# Altium PCB PCB3.PcbDoc (part 8 of 8)
Units mil, origin at the board's own origin, x right, y up, seen from the top; angles counter-clockwise.
Board outline 4763.78 x 6574.87 mil, 6 copper layers (Top Layer, GND, ADDR, DATA, VCC, Bottom Layer), stack 77.691 mil thick; 402 components, 418 nets, 1809 pads, 1202 vias.
Unrouted connection lines stored in the file: 117.
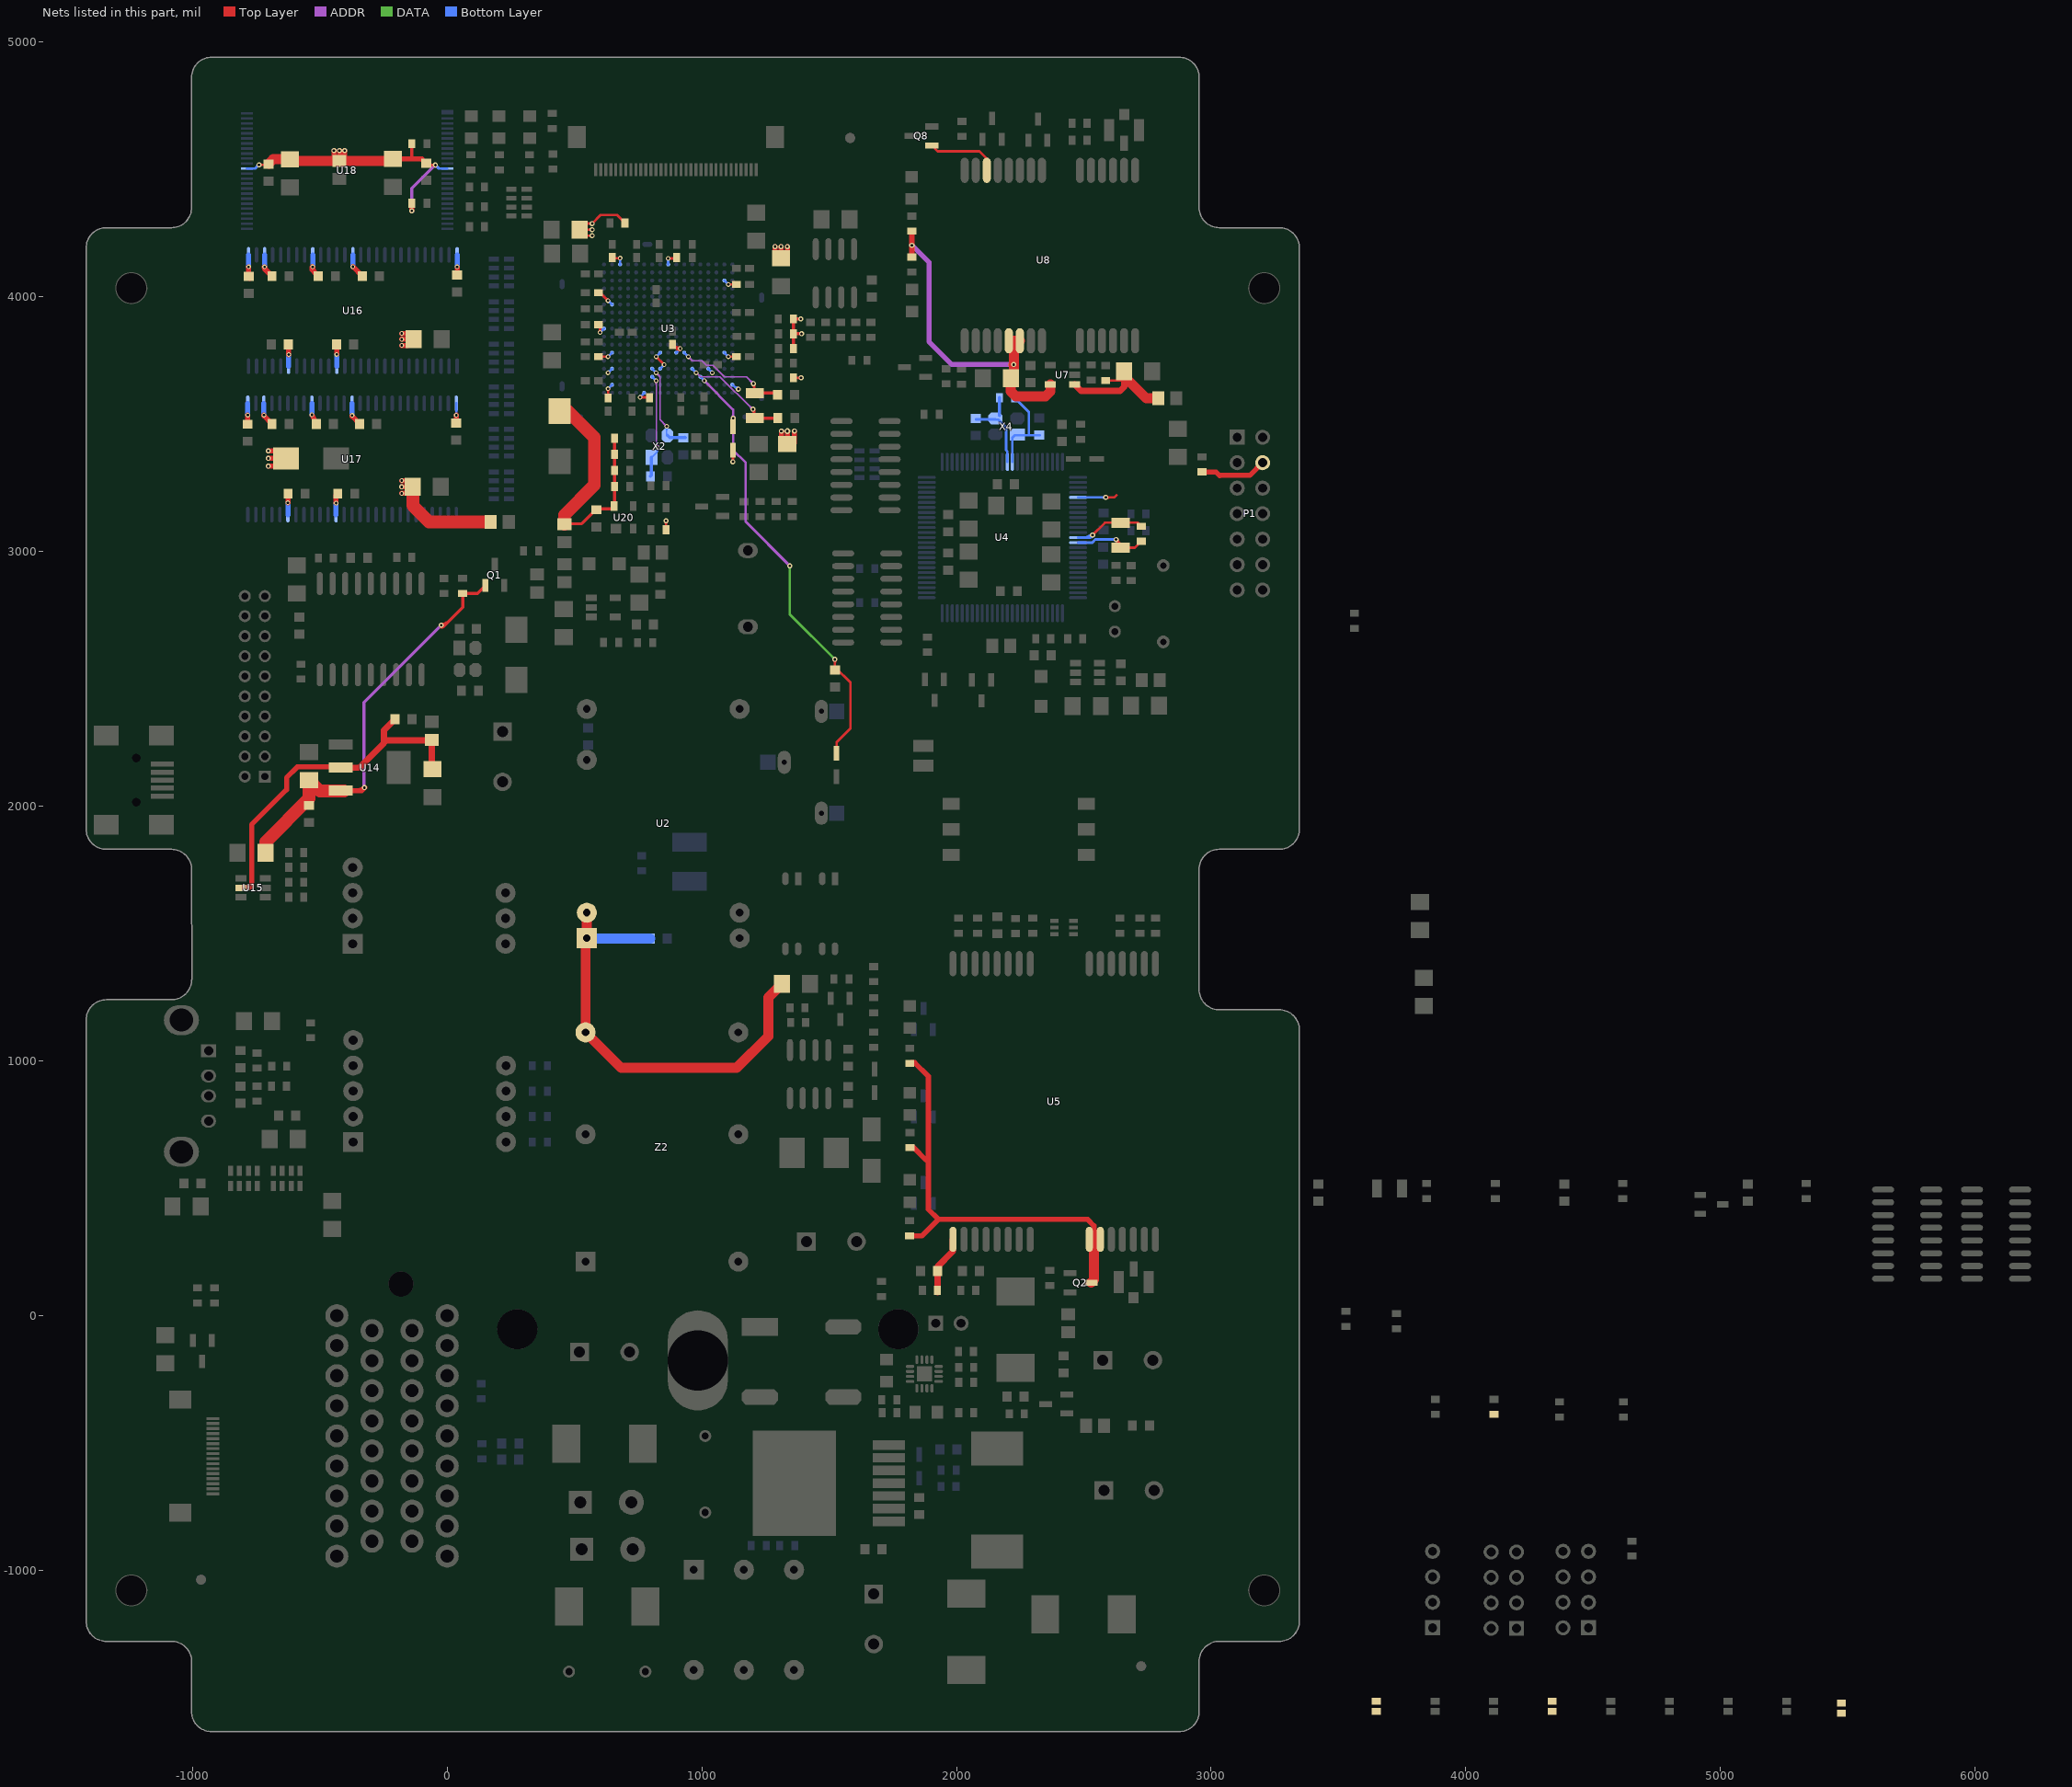
[diagram p12: the nets of this part, all layers, seen from the top]

## Via types
v1: diameter 18, hole 10, Top Layer to Bottom Layer, tented both sides, 404 vias
v2: diameter 20, hole 10, Top Layer to Bottom Layer, tented both sides, 379 vias
v3: diameter 25, hole 15, Top Layer to Bottom Layer, tented both sides, 363 vias
v4: diameter 23.62, hole 11.81, Top Layer to Bottom Layer, tented both sides, 51 vias
v5: diameter 50, hole 28, Top Layer to Bottom Layer, tented both sides, 4 vias
v6: diameter 30, hole 15, Top Layer to Bottom Layer, tented both sides, 1 vias

## Nets (pads, with @x,y where several pads share a name; then routed paths per layer and width w, separated by ;. In a path a pad name is that pad's centre, name@x,y a point inside that pad or via, vN(x,y) a via of type N, cw(c..) or ccw(c..) an arc to the next point about the centre after c; other vN are vias at no path point) (continued)
VDD3V30: C13.1 C14.1 C15.1 C16.1 C17.1 C18.1 C32.1 C33.1 C34.1 C35.1 C81.1 CP2.1 CP4.1 CP5.1 CT2.1 D6.1 LR3.2 R9.1 R10.1 R20.1 R21.1 R22.1 R79.1 R81.1 R82.1 R83.1 R84.1 RD5.1 RD5.2 RD7.1 RD7.2 RD9.1 RD9.2 RN2.1 U3.A9 U3.B6 U3.B12 U3.B14 U3.B16 U3.C1 U3.F17 U3.H12 U3.H14 U3.J1 U3.K12 U3.P14 U3.T3 U3.T12 U3.U16 U20.4 | length 3321.6
  Top Layer w10: v2@565.8,4260.68 ccw(c557.26,4252.14) 557.26,4264.21 ccw(c557.26,4276.28) v2@565.8,4267.75 ; v2(569.33,4240.71) 544.15,4240.71 CP2.1@520.64,4264.21 ; v2(569.33,4264.21) CP2.1@520.64,4264.21 ; C18.1@594.05,3764.98 594.28,3765.2 v1(631.86,3765.2) ; C15.1@594.05,3890.85 600.08,3884.83 v1(600.08,3859.98) ; C16.1@594.05,4015.98 601.56,4015.98 v1(631.87,3985.67) ; v1@597.25,3862.81 ccw(c590.42,3869.63) 600.08,3869.63 ccw(c609.74,3869.63) v1@602.91,3862.81 ; v1@627.87,3985.67 ccw(c618.21,3985.67) 625.04,3992.5 ccw(c631.87,3999.33) v1@631.87,3989.67 ; v1@629.04,3636.39 cw(c622.21,3629.56) 631.86,3629.56 cw(c641.52,3629.56) v1@634.69,3636.39 ; v1@629.04,3762.37 ccw(c622.21,3755.54) 622.21,3765.2 ccw(c622.21,3774.85) v1@629.04,3768.03 ; C14.1@631.86,3602.8 v1(631.86,3639.21) ; C17.1@649.48,4151.95 v1(679.11,4151.95) ; v1@676.28,4149.13 ccw(c669.45,4142.3) 669.45,4151.95 ccw(c669.45,4161.61) v1@676.28,4154.78 ; R9.1@697.84,4290.35 666.34,4321.85 603.23,4321.85 v2(569.33,4287.95) 544.38,4287.95 CP2.1@520.64,4264.21 ; v1(757.85,3605.75) 793.28,3605.75 C35.1@795.25,3603.78 ; v1@760.68,3602.92 cw(c767.51,3596.09) 767.51,3605.75 cw(c767.51,3615.41) v1@760.68,3608.58 ; v1@820.84,3761.2 cw(c820.84,3751.54) 827.67,3758.37 cw(c834.5,3765.2) v1@824.84,3765.2 ; v1(820.84,3765.2) v1(852.34,3733.7) ; v1@848.34,3733.7 ccw(c838.68,3733.7) 845.51,3740.53 ccw(c852.34,3747.36) v1@852.34,3737.7 ; v2@855.69,3117.5 cw(c847.16,3108.97) 859.23,3108.97 cw(c871.3,3108.97) v2@862.76,3117.5 ; R79.1@859.23,3085.08 v2(859.23,3121.04) ; v1(868.08,4150.93) 897.68,4150.93 C34.1@901.59,4154.84 ; v1@870.91,4148.1 cw(c877.74,4141.27) 877.74,4150.93 cw(c877.74,4160.59) v1@870.91,4153.76 ; C13.1@884.82,3813.43 901.55,3796.69 v1(915.33,3796.69) ; C13.1@884.98,3813.27 ccw(c915.33,3843.62) v1@915.33,3800.69 ; 902.05,3796.2 ccw(c915.33,3809.48) v1@915.33,3790.69 ; v1@912.5,3793.87 ccw(c905.67,3787.04) 905.67,3796.69 ccw(c905.67,3806.35) v1@912.5,3799.52 ; v1(1104.31,3765.2) C32.1@1141.71,3765.2 ; v1(1104.31,4048.66) C33.1@1135.8,4048.66 C33.1@1144.66,4048.66 ; v1@1107.14,3762.37 cw(c1113.96,3755.54) 1113.96,3765.2 cw(c1113.96,3774.86) v1@1107.14,3768.03 ; v1@1107.14,4045.84 cw(c1113.96,4039.01) 1113.96,4048.66 cw(c1113.97,4058.33) v1@1107.14,4051.49 ; CP4.1@1335.6,3422.68 CP4.1@1335.6,3432.11 ; R20.1@1360.24,3682.09 v2(1389.76,3682.09) ; R22.1@1360.24,3790.36 R22.1@1360.24,3797.58 R21.1@1360.24,3855.32 ; v2@1386.22,3678.56 ccw(c1377.69,3670.02) 1377.69,3682.09 ccw(c1377.69,3694.16) v2@1386.22,3685.63
  Top Layer w12: LR3.2@470.47,3109.25 528.54,3109.25 587.62,3168.33 657.45,3168.33 R82.1@657.45,3255.36 R84.1@657.45,3318.68 R81.1@657.45,3382 R83.1@657.45,3445.32 ; D6.1@1120.08,3398.62 1122.05,3396.65 v2(1122.05,3352.36) ; R22.1@1359.25,3790.35 1359.25,3855.32 R10.1@1359.25,3913.39 v2(1388.78,3913.39) ; R21.1@1360.24,3855.32 v2(1391.73,3855.32)
  Top Layer w20: CP5.1@1287.4,4152.56 v2(1287.4,4197.83) ; v2(1311.02,4197.83) CP5.1@1311.02,4151.57 1311.02,4138.78 CP5.1@1312.99,4136.81 ; CP4.1@1312.07,3430.05 v2(1312.07,3472.61) ; CP4.1@1335.6,3432.11 v4(1335.6,3472.88) ; CP5.1@1335.63,4156.5 v2(1335.63,4197.83) ; CP4.1@1364.17,3426.18 v2(1364.17,3473.43)
  Top Layer w50: CT2.1@441.9,3551.62 474.38,3551.62 577.73,3448.27 577.73,3260.8 460.6,3143.68 LR3.2@460.6,3107.72
  Bottom Layer w5: U3.A9@615.54,3875.43 U3.A9@616.12,3875.43
  Bottom Layer w8: U3.U16@1120.05,3654.96 1137.22,3637.8 v2(1143.7,3637.8) ; U3.U16@1122.4,3652.62 ccw(c1143.7,3673.92) v2@1143.7,3643.8
  Bottom Layer w10: v1(600.08,3859.98) U3.A9@615.54,3875.43 ; v1@600.08,3863.98 ccw(c600.08,3873.63) 606.91,3866.81 ccw(c613.74,3859.98) v1@604.08,3859.98 ; v1(631.86,3639.21) U3.B16@647.61,3654.96 ; v1@631.86,3643.21 ccw(c631.86,3652.87) 638.69,3646.04 ccw(c645.52,3639.21) v1@635.86,3639.21 ; v1(631.86,3702.21) U3.B14@647.61,3717.95 ; v1@631.86,3706.21 ccw(c631.86,3715.86) 638.69,3709.03 ccw(c645.52,3702.21) v1@635.86,3702.21 ; v1(631.86,3765.2) U3.B12@647.61,3780.95 ; v1@631.86,3769.2 ccw(c631.86,3778.85) 638.69,3772.03 ccw(c645.52,3765.2) v1@635.86,3765.2 ; v1@631.87,3981.67 cw(c631.87,3972.01) 638.7,3978.84 cw(c645.52,3985.67) v1@635.87,3985.67 ; v1(631.87,3985.67) U3.B6@647.61,3969.92 ; v1@676.28,4149.13 cw(c669.45,4142.3) 679.11,4142.3 cw(c688.77,4142.3) v1@681.94,4149.13 ; U3.C1@679.11,4127.4 v1(679.11,4151.95) ; v1(757.85,3605.75) 773.6,3621.5 U3.F17@773.6,3623.47 ; v1@757.85,3609.75 ccw(c757.85,3619.41) 764.68,3612.58 ccw(c771.51,3605.75) v1@761.85,3605.75 ; v1(820.84,3765.2) U3.H12@836.59,3780.95 ; v1@820.84,3769.2 ccw(c820.84,3778.86) 827.67,3772.03 ccw(c834.5,3765.2) v1@824.84,3765.2 ; U3.H14@836.59,3717.95 v1(852.34,3733.7) ; v1@848.34,3733.7 cw(c838.68,3733.7) 845.51,3726.87 cw(c852.34,3720.04) v1@852.34,3729.7 ; v1@865.26,4148.1 cw(c858.43,4141.27) 868.08,4141.27 cw(c877.74,4141.27) v1@870.91,4148.1 ; U3.J1@868.08,4127.4 v1(868.08,4150.93) ; U3.K12@899.58,3780.95 v1(915.33,3796.69) ; v1@911.33,3796.69 cw(c901.67,3796.69) 908.5,3789.87 cw(c915.33,3783.04) v1@915.33,3792.69 ; U3.P14@1025.57,3717.95 v1(1041.31,3702.21) ; v1@1037.31,3702.21 ccw(c1027.66,3702.21) 1034.49,3709.03 ccw(c1041.31,3715.86) v1@1041.31,3706.21 ; U3.T12@1088.56,3780.95 v1(1104.31,3765.2) ; U3.T3@1088.56,4064.41 v1(1104.31,4048.66) ; v1@1100.31,3765.2 ccw(c1090.65,3765.2) 1097.48,3772.03 ccw(c1104.31,3778.86) v1@1104.31,3769.2 ; v1@1100.31,4048.66 ccw(c1090.65,4048.66) 1097.48,4055.49 ccw(c1104.31,4062.32) v1@1104.31,4052.66 ; v2@1310.21,3472.61 v2(1312.07,3472.61)
VDD24V: C7.1 RF6.1 U2.22 U2.23 Z2.3 | length 1773.5
  Top Layer w39.37: U2.22@548.46,1581.85 U2.23@548.46,1481.85 543.46,1476.85 Z2.3@543.46,1111.85 682.87,972.44 1136.81,972.44 1260.83,1096.46 1260.83,1249.02 RF6.1@1313.98,1302.17
  Bottom Layer w39.37: U2.23@550,1480.32 C7.1@797.24,1480.32
VDD_EXT_2.8V: C52.1 R34.1 U5.16 | length 232.5
  Top Layer w25: R34.1@1926.18,91.54 1926.18,191.93 1986.22,251.97 U5.16@1986.22,299.21
VDD_RTC: C41.1 D6.2 D9.2 U3.N15 | length 1963
  Top Layer w10: v2@1119.5,3520.09 cw(c1110.96,3511.55) 1123.03,3511.55 cw(c1135.1,3511.55) v2@1126.57,3520.09 ; D6.2@1123.03,3477.36 D6.2@1123.03,3490.16 v2(1123.03,3523.62) ; v2@1519.1,2573.24 cw(c1510.57,2564.7) 1522.64,2564.7 cw(c1534.71,2564.7) v2@1526.17,2573.24 ; C41.1@1522.64,2534.45 v2(1522.64,2576.77) ; C41.1@1525.59,2540.35 1527.56,2542.32 1583.66,2486.22 1583.66,2306.1 1529.46,2251.9 D9.2@1529.46,2208.11
  ADDR w10: v1@1009.82,3666.71 cw(c1009.82,3657.05) 1016.65,3663.88 cw(c1023.48,3670.71) v1@1013.82,3670.71 ; v1(1009.82,3670.71) 1123.03,3557.5 v2(1123.03,3523.62) 1123.03,3398.62 1172.24,3349.41 1172.24,3117.13 v2(1345.47,2943.9) ; v2@1119.5,3520.09 cw(c1110.96,3511.55) 1123.03,3511.55 cw(c1135.1,3511.55) v2@1126.57,3520.09 ; v2@1119.5,3527.16 ccw(c1110.96,3535.69) 1123.03,3535.69 ccw(c1135.1,3535.69) v2@1126.57,3527.16 ; v2@1340.47,2943.9 ccw(c1328.4,2943.9) 1336.94,2952.43 ccw(c1345.47,2960.97) v2@1345.47,2948.9
  DATA w10: v2@1341.94,2940.36 cw(c1333.4,2931.83) 1345.47,2931.83 cw(c1357.54,2931.83) v2@1349.01,2940.36 ; v2(1345.47,2943.9) 1345.47,2753.94 v2(1522.64,2576.77) ; v2@1517.64,2576.77 ccw(c1505.57,2576.77) 1514.1,2585.31 ccw(c1522.64,2593.84) v2@1522.64,2581.77
  Bottom Layer w10: U3.N15@994.07,3686.46 v1(1009.82,3670.71) ; v1@1005.82,3670.71 ccw(c996.16,3670.71) 1002.99,3677.54 ccw(c1009.82,3684.37) v1@1009.82,3674.71
VDDNAND: C79.1 C80.1 CP25.1 CP26.1 LR12.2 R73.1 R74.1 U18.12 U18.37 | length 1319
  Top Layer w10: v2(-739.17,4518.7) -701.77,4518.7 C79.1@-699.8,4520.67 ; v2@-735.64,4515.17 cw(c-727.1,4506.63) -727.1,4518.7 cw(c-727.1,4530.77) v2@-735.64,4522.24 ; C80.1@-82.68,4519.68 -80.71,4517.72 v2(-46.26,4517.72) ; v2@-49.8,4514.18 ccw(c-58.33,4505.65) -58.33,4517.72 ccw(c-58.33,4529.79) v2@-49.8,4521.25
  Top Layer w12: R73.1@-138.78,4601.38 -138.78,4547.24 -133.86,4542.32
  Top Layer w20: LR12.2@-444.88,4542.32 v2(-444.88,4574.8) ; LR12.2@-423.23,4534.45 v2(-423.23,4574.8) ; LR12.2@-402.56,4545.28 v2(-402.56,4574.8) ; CP25.1@-212.6,4541.34 -99.41,4541.34 C80.1@-82.68,4524.61 ; v2(-138.78,4337.6) R74.1@-138.78,4368.11
  Top Layer w39.37: C79.1@-699.8,4523.62 -683.07,4540.35 CP26.1@-618.11,4540.35 ; CP26.1@-628.94,4539.37 -624.02,4534.45 LR12.2@-423.23,4534.45 CP25.1@-218.5,4534.45
  ADDR w12: v2(-138.78,4337.6) -138.78,4427.16 v2@-49.21,4516.73 ; -56.45,4509.5 cw(c-46.26,4499.31) v2@-46.26,4513.72
  Bottom Layer w10: U18.37@-786.94,4504 -753.87,4504 v2(-739.17,4518.7) ; v2@-744.17,4518.7 cw(c-756.24,4518.7) -747.71,4510.17 cw(c-739.17,4501.63) v2@-739.17,4513.7 ; v2@-46.26,4512.72 cw(c-46.26,4500.65) -37.72,4509.18 cw(c-29.19,4517.72) v2@-41.26,4517.72 ; v2(-46.26,4517.72) -32.54,4504 U18.12@0.46,4504
VDDSDRAM: C65.1 C66.1 C67.1 C68.1 C69.1 C70.1 C71.1 C72.1 C73.1 C74.1 C75.1 C76.1 C77.1 C78.1 CP23.1 CP24.1 CT3.1 LR11.2 U16.1 U16.3 U16.9 U16.14 U16.27 U16.43 U16.49 U17.1 U17.3 U17.9 U17.14 U17.27 U17.43 U17.49 | length 2000.8
  Top Layer w20: C73.1@-782.86,3500.45 v1(-782.86,3535.88) ; v1(-779.86,4117.88) -779.86,4076.35 C71.1@-775.41,4071.9 ; v1(-719.87,3535.89) -719.87,3533.43 C78.1@-687.88,3501.43 ; v1@-717.87,4117.89 ccw(c-702.26,4117.89) -713.3,4106.86 ; v1(-716.87,4117.89) -716.87,4110.43 C70.1@-687.88,4081.43 ; v2(-702.32,3335.2) -657.91,3335.2 CT3.1@-654.53,3338.58 ; v2(-702.32,3365.59) CT3.1@-642.17,3365.59 ; v2(-702.32,3395.12) CT3.1@-664.8,3395.12 ; v1(-625.38,3191.4) C74.1@-625.38,3226.93 ; v1(-622.38,3773.47) C66.1@-622.38,3811.87 ; v1@-530.51,3536.42 C77.1@-513.88,3501.43 C77.1@-516.2,3501.43 ; v1@-528.89,4117.91 ccw(c-496.39,4117.91) C69.1@-519.37,4094.93 ; v1@-528.67,4118.55 ccw(c-519.91,4111.43) -527.89,4103.45 ; v1(-527.89,4117.91) -527.89,4103.45 ; C69.1@-505.88,4081.43 -527.89,4103.45 ; v1(-436.4,3190.44) C75.1@-436.4,3220.91 ; C67.1@-433.88,3812.93 -433.4,3812.46 v1(-433.4,3774.44) ; v1(-373.41,3534.43) -373.41,3530.97 C76.1@-343.88,3501.43 ; v1(-370.41,4118.43) -369.88,4118.43 C68.1@-332.88,4081.43 ; v2@-179.13,3253.94 -135.83,3253.94 CP24.1@-134.84,3254.92 ; v1(-178.41,3228.43) CP24.1@-147.55,3228.43 ; v1(-178.41,3278.43) CP24.1@-155.4,3278.43 ; v1(-178.41,3809.43) CP23.1@-155.53,3809.43 ; v1(-178.41,3833.43) CP23.1@-131.53,3833.43 ; v1(-178.41,3856.43) CP23.1@-154.53,3856.43 ; C72.1@35.59,3504.9 v1@35.59,3536.26 ; v1@35.6,3534.99 v1(36.04,3534.99) ; v1@39.04,4110.42 v1(39.04,4117.99)
  Top Layer w50: CP24.1@-134.84,3254.92 -134.84,3180.12 -71.3,3116.58 LR11.2@159.45,3116.58
  Bottom Layer w10: v1@33.21,3537.81 ccw(c26.38,3544.64) 36.04,3544.64 ccw(c45.69,3544.64) v1@38.87,3537.81 ; v1(36.04,3534.99) U17.27@36.04,3581.94
  Bottom Layer w20: v1(-782.86,3535.88) U17.1@-782.86,3581.94 ; v1(-779.86,4117.88) U16.1@-779.86,4164.94 ; v1(-719.87,3535.89) U17.3@-719.87,3581.94 ; v1(-716.87,4117.89) U16.3@-716.87,4164.94 ; U17.49@-625.38,3144.93 v1(-625.38,3191.4) ; U16.49@-622.38,3727.93 v1(-622.38,3773.47) ; v1(-530.89,3536.91) U17.9@-530.89,3581.94 ; v1(-527.89,4117.91) U16.9@-527.89,4164.94 ; U17.43@-436.4,3144.93 v1(-436.4,3190.44) ; U16.43@-433.4,3727.93 v1(-433.4,3774.44) ; v1(-373.41,3534.43) U17.14@-373.41,3581.94 ; v1(-370.41,4118.43) U16.14@-370.41,4164.94 ; v1(39.04,4117.99) U16.27@39.04,4164.94
  other v2: -178.41,3253.68
VGPRS4V4: Q2.3 R30.2 R31.2 R32.2 U5.24 U5.25 | length 1732.7
  Top Layer w20: R32.2@1815.94,312.99 1863.99,312.99 1928.95,377.95 ; R30.2@1823.82,993.11 1836.06,993.11 1889.76,939.41 1889.76,417.14 1928.95,377.95 ; R31.2@1829.72,661.42 1880.91,610.24 ; 2543.31,318.9 2540.35,321.85 2540.35,352.36 2514.76,377.95 1928.95,377.95
  Top Layer w39.37: Q2.3@2528.54,128.94 2540.35,140.75 2540.35,321.85
VGPS: CP13.1 LR5.2 R43.2 U7.1 | length 488.9
  Top Layer w10: R43.2@2585.63,3671.26 2653.54,3671.26 CP13.1@2658.46,3676.18
  Top Layer w25: U7.1@2463.58,3656.5 2489.17,3630.91 2642.72,3630.91 2658.46,3646.65 CP13.1@2658.46,3676.18
  Top Layer w39.37: CP13.1@2656.5,3690.94 2745.08,3602.36 LR5.2@2792.32,3602.36
VGPS3V3: CP14.1 R39.2 R40.2 U7.5 U8.5 U8.6 | length 1305.2
  Top Layer w20: R40.2@1824.8,4156.65 v2(1824.8,4202.76) R39.2@1824.8,4257.87 ; CP14.1@2213.58,3680.12 CP14.1@2226.38,3692.91
  Top Layer w39.37: CP14.1@2213.58,3680.12 2213.58,3628.94 2233.27,3609.25 2349.41,3609.25 2369.09,3628.94 U7.5@2369.09,3656.5 ; v2(2224.41,3734.25) v2@2226.38,3734.25 ; CP14.1@2226.38,3692.91 v2@2226.38,3734.25 ; U8.6@2248.98,3827.76 2226.38,3827.76 v2@2226.38,3734.25
  ADDR w20: v2(1824.8,4202.76) 1891.73,4135.83 1891.73,3824.8 1982.28,3734.25 v2(2224.41,3734.25)
VJTAG: P1.4 R12.2 | length 263.1
  Top Layer w20: R12.2@2964.57,3312.99 3018.7,3312.99 3033.46,3298.23 ; 3034.45,3299.21 3151.57,3299.21 P1.4@3201.77,3349.41
VUSB3V3: C62.1 CP22.1 LR10.1 U14.2 U15.5 | length 1345.7
  Top Layer w20: U15.5@-809.08,1679.57 -775.16,1679.57 -767.72,1687.01 -767.72,1928.15 -630.91,2064.96 -630.91,2112.2 -588.58,2154.53 -447.83,2154.53 U14.2@-446.85,2153.54
  Top Layer w25: U14.2@-404.55,2151.02 -345.58,2151.02 -248.06,2248.54 -248.06,2259.29 ; C62.1@-204.75,2340.99 -248.06,2297.68 -248.06,2259.29 ; CP22.1@-38.41,2146.1 -60.04,2167.73 -60.04,2259.29 -248.06,2259.29
VUSB5V: C61.1 CP21.1 Q1.1 R7.2 RF3.2 U14.3 | length 1726.1
  Top Layer w12: v2@-23.62,2702.63 ccw(c-23.62,2718.96) -12.08,2707.41 ; v2(-23.62,2710.63) -8.86,2710.63 61,2780.49 R7.2@61,2836.06 119.07,2836.06 Q1.1@149.58,2866.57 ; v2@-23.62,2714.63 ccw(c-23.62,2759.93) 8.41,2727.9
  Top Layer w20: U14.3@-404.55,2060.47 -336.18,2060.47 v2@-323.82,2072.83 ; -354.65,2060.47 ccw(c-354.65,2102.68) v2(-324.8,2072.83)
  Top Layer w50: RF3.2@-712.62,1817.36 -712.62,1860.21 -542.35,2030.49 CP21.1@-542.35,2102.8 -500.03,2060.47 U14.3@-404.55,2060.47
  ADDR w12: -326.77,2087.24 ccw(c-310.39,2087.24) v2@-321.97,2075.66 ; v2(-324.8,2072.83) -326.77,2074.8 -326.77,2407.48 v2(-23.62,2710.63)
WAKE_UP: Q8.1 U8.26 | length 283
  Top Layer w10: Q8.1@1903.54,4594.49 1926.18,4571.85 2090.55,4571.85 2119.06,4543.35 U8.26@2119.06,4497.05
WDI: U4.5 | length 192.2
  Top Layer w10: v2(2586.61,3212.6) 2619.09,3212.6 2627.95,3221.46 ; v2@2590.15,3209.06 cw(c2598.69,3200.53) 2598.69,3212.6 cw(c2598.69,3224.67) v2@2590.15,3216.13
  Bottom Layer w10: U4.5@2477.36,3212.6 v2(2586.61,3212.6) ; v2@2583.08,3209.06 ccw(c2574.54,3200.53) 2574.54,3212.6 ccw(c2574.54,3224.67) v2@2583.08,3216.13
XTAL2_IN: C49.1 R19.2 U4.89 X4.3 | length 339.5
  Bottom Layer w10: C49.1@2076.77,3518.7 2152.56,3518.7 2153.54,3517.72 2165.35,3517.72 2194.88,3488.19 2194.88,3397.64 2199.8,3392.72 U4.89@2199.8,3352.36
  Bottom Layer w12: X4.3@2169.29,3533.46 R19.2@2169.29,3604.33
XTAL2_OUT: C50.1 R19.1 U4.90 X4.1 | length 374.8
  Bottom Layer w10: U4.90@2219.49,3352.36 2219.49,3446.85 2229.33,3456.69 C50.1@2326.77,3456.69 ; R19.1@2228.35,3604.33 2284.45,3548.23 2284.45,3458.66
XTAL_IN: R18.2 U4.13 X3.2 | length 350.5
  Top Layer w10: v2(2534.45,3064.96) 2582.68,3113.19 X3.2@2644.69,3113.19 2712.6,3113.19 R18.2@2726.38,3099.41 ; v2@2534.45,3069.96 ccw(c2534.45,3082.03) 2542.98,3073.5 ccw(c2551.52,3064.96) v2@2539.45,3064.96
  Bottom Layer w10: U4.13@2477.36,3055.12 2524.61,3055.12 v2(2534.45,3064.96) ; U4.13@2498.62,3055.12 ccw(c2498.62,3100.79) v2@2530.91,3068.5 ; 2522.76,3055.12 ccw(c2522.76,3076.65) v2@2537.98,3061.43
XTAL_OUT: R18.1 U4.14 X3.1 | length 324.5
  Top Layer w10: v2@2626.97,3042.24 cw(c2626.97,3030.17) 2635.5,3038.71 cw(c2644.04,3047.24) v2@2631.97,3047.24 ; v2(2626.97,3047.24) 2644.69,3029.53 X3.1@2644.69,3014.76 2700.79,3014.76 R18.1@2726.38,3040.35
  Bottom Layer w10: U4.14@2477.36,3035.43 2533.43,3035.43 2545.24,3047.24 v2(2626.97,3047.24) ; v2@2623.43,3043.71 ccw(c2614.9,3035.17) 2614.9,3047.24 ccw(c2614.9,3059.32) v2@2623.43,3050.78
XTIPLL: C27.1 U3.G14 X2.3 | length 459
  ADDR w5: v1@820.84,3695.71 cw(c820.84,3680.01) 831.94,3691.11 cw(c843.03,3702.21) v1@827.34,3702.21 ; v1(820.84,3702.21) 836.59,3686.46 836.59,3517.17 v1(862.18,3491.58) ; v1@855.68,3491.58 ccw(c839.99,3491.58) 851.08,3502.67 ccw(c862.18,3513.77) v1@862.18,3498.08
  Bottom Layer w5: v1@857.58,3486.98 cw(c846.49,3475.88) 862.18,3475.88 cw(c877.87,3475.88) v1@866.78,3486.98 ; X2.3@862.18,3452.21 v1(862.18,3491.58) ; C27.1@930.09,3452.21 C27.1@935.01,3447.28
  Bottom Layer w10: U3.G14@805.09,3717.95 v1(820.84,3702.21) ; v1@816.84,3702.21 ccw(c807.18,3702.21) 814.01,3709.03 ccw(c820.84,3715.86) v1@820.84,3706.21
  Bottom Layer w12: X2.3@865.13,3456.14 873.99,3447.28 C27.1@935.01,3447.28
XTIRTC: C19.1 U3.M14 X1.2 | length 593.9
  Top Layer w5: v2@1195.61,3553.63 cw(c1166.56,3523.19) X1.2@1208.64,3523.19 ; v2@1199.06,3557.25 cw(c1177.71,3534.87) X1.2@1208.64,3534.87 ; v2(1200.79,3559.06) 1208.64,3551.21 ; v2@1202.51,3560.86 cw(c1188.86,3546.56) 1208.64,3546.56 ; v2@1203.73,3552.16 cw(c1205.48,3548.05) 1208.64,3551.21 ; v2@1207.69,3556.11 ccw(c1211.79,3554.36) 1208.64,3551.21 ; X1.2@1208.64,3524.06 1208.64,3551.21
  Top Layer w12: X1.2@1208.64,3524.06 C19.1@1297.22,3524.06
  ADDR w5: v1@978.32,3695.71 cw(c978.32,3680.01) 989.42,3691.11 cw(c1000.51,3702.21) v1@984.82,3702.21 ; v1(978.32,3702.21) 994.32,3686.21 1071.18,3686.21 1198.33,3559.06 v2@1199.8,3559.06 ; 1183.79,3573.59 ccw(c1200.79,3590.59) v2@1200.79,3566.56 ; 1189.72,3567.67 cw(c1181.11,3559.06) v2@1193.29,3559.06 ; 1192.33,3565.06 ccw(c1200.79,3573.52) v2@1200.79,3561.56 ; v2@1200.3,3559.55 v2(1200.79,3559.06)
  Bottom Layer w10: U3.M14@962.57,3717.95 v1(978.32,3702.21) ; v1@974.32,3702.21 ccw(c964.66,3702.21) 971.49,3709.03 ccw(c978.32,3715.86) v1@978.32,3706.21
XTOPLL: C31.1 U3.G15 X2.1 | length 520.9
  ADDR w5: v1@816.24,3666.11 cw(c805.15,3655.02) 820.84,3655.02 cw(c836.53,3655.02) v1@825.44,3666.11 ; v1@820.84,3407.91 v1(820.84,3670.71) ; 820.84,3423.42 ccw(c841.26,3423.42) v1@826.82,3408.98 ; 820.84,3435.49 ccw(c853.34,3435.49) v1@830.36,3412.51
  Bottom Layer w5: X2.1@799.19,3366.58 799.19,3365.59 802.14,3368.54 825.76,3392.17 v1(825.76,3407.91) ; v1@821.17,3403.32 cw(c810.07,3392.22) 825.76,3392.22 cw(c841.45,3392.22) v1@830.36,3403.32
  Bottom Layer w10: U3.G15@805.09,3686.46 v1(820.84,3670.71) ; v1@816.84,3670.71 ccw(c807.18,3670.71) 814.01,3677.54 ccw(c820.84,3684.37) v1@820.84,3674.71
  Bottom Layer w12: C31.1@798.2,3295.71 802.14,3299.65 802.14,3368.54 X2.1@802.14,3369.53
XTORTC: C30.1 U3.L12 X1.1 | length 560.7
  Top Layer w5: v2@1197.51,3654.32 cw(c1170.65,3627.47) X1.1@1208.64,3627.47 ; v2@1201.05,3657.86 cw(c1182.72,3639.54) X1.1@1208.64,3639.54 ; v2(1202.81,3659.63) 1208.64,3653.81 X1.1@1208.64,3622.48
  Top Layer w12: X1.1@1208.64,3622.48 C30.1@1290.33,3622.48
  ADDR w5: v1@946.82,3758.7 cw(c946.82,3743.01) 957.92,3754.1 cw(c969.02,3765.2) v1@953.32,3765.2 ; v1(946.82,3765.2) 962.57,3749.45 999.97,3749.45 1017.92,3731.5 1044.09,3731.5 1089.25,3686.34 1174.88,3686.34 v2@1201.77,3659.45 ; 1187.93,3673.29 ccw(c1202.81,3688.18) v2@1202.81,3667.13 ; 1190.88,3670.35 cw(c1180.16,3659.63) v2@1195.31,3659.63
  Bottom Layer w10: U3.L12@931.08,3780.95 v1(946.82,3765.2) ; v1@942.82,3765.2 ccw(c933.17,3765.2) 940,3772.03 ccw(c946.82,3778.86) v1@946.82,3769.2
pads on no net: J1. J1.1 J1.2 J1.3 J1.10 J1.11 J1.12 J1.20 J1.21 J3.3@1923.35,1674.06 J3.6 J5.17 J5.19 J6.16 J6.17 J6.18 J7.32 J7.34 J7.35 M1.1 M2.1 M3.1 P1.6 P1.10 P1.12 P1.13 P1.14 RA7.3 RA7.4 RA7.5 RA7.6 U1.5 U2.11 U3.B2 U3.C2 U3.C3 U3.C4 U3.C5 U3.C9 U3.C10 U3.D3 U3.D9 U3.D10 U3.D11 U3.E3 U3.E7 U3.E10 U3.F6 U3.F7 U3.F9 U3.G2 U3.G3 U3.G5 U3.G7 U3.G9 U3.H2 U3.H3 U3.H4 U3.H5 U3.H6 U3.H7 U3.H9 U3.H10 U3.J3 U3.J4 U3.J8 U3.J9 U3.J12 U3.K3 U3.K8 U3.K11 U3.K15 U3.L1 U3.L3 U3.L6 U3.L8 U3.M2 U3.M3 U3.M5 U3.M7 U3.M8 U3.M10 U3.N2 U3.N8 U3.N13 U3.P1 U3.P7 U3.P8 U3.P10 U3.R2 U3.R7 U3.R8 U3.R9 U3.T4 U3.T7 U3.U6 U3.U12 U4.17 U4.52 U4.55 U4.56 U4.58 U5.4 U5.6 U5.7 U5.18 U5.19 U5.20 U8. U8.1 U8.2 U8.3@1997.09,3942.4 U8.8 U8.9 U8.10 U8.12 U8.21 U8.22 U8.23 U8.24 U8.25 U8.27 U10. U10.12@1924.02,-179.33 U10.14 U13.7 U13.10 U13.12 U14.4 U16.40 U17.40 U18.1 U18.2 U18.3 U18.4 U18.5 U18.6 U18.10 U18.11 U18.14 U18.15 U18.20 U18.21 U18.22 U18.23 U18.24 U18.25 U18.26 U18.27 U18.28 U18.33 U18.34 U18.35 U18.38 U18.39 U18.40 U18.45 U18.46 U18.47 U18.48 U20.3 U22.3 U22.4 U22.5 U22.6 U22.10 U22.11 U26.8 U28.1 U28.2 U28.4 U28.5 U28.6 U28.7 U28.9 U28.13 U28.14 U28.15 U29.4 U29.5 U29.7 U29.9 U29.10 U29.14 US1. US1.4 US2.0 X2.2 X2.4 X4.2 X4.4 X5.2 X5.4
copper on no net: | length 558.6
  Top Layer w10: 2550.2,3440.94 2555.12,3445.87 2627.95,3445.87 2627.95,3315.94 ; 2702.76,3221.46 v2(2741.14,3221.46) ; v2@2737.61,3217.92 ccw(c2729.07,3209.39) 2729.07,3221.46 ccw(c2729.07,3233.53) v2@2737.61,3224.99
  Top Layer w20: v1(1436.02,3047.24) 1460.63,3047.24 ; v1(1436.02,3103.35) 1460.63,3103.35 ; 1593.5,3571.85 v4(1619.09,3571.85) ; 1593.5,3621.06 v4(1619.09,3621.06)
  Top Layer w25: v1(1436.02,3075.79) 1484.25,3075.79 ; 2665.35,3315.94 v2(2665.35,3352.36) ; 2708.66,3485.24 2778.54,3485.24 2781.5,3488.19 v2(2781.5,3520.67)

## Polygon pours and split planes (outlines as drawn)
GGND on Bottom Layer "Top Layer-No Net" (solid, remove dead copper, shelved, pour order 18): 1255.1,-1604.48 1248,-1597.38 1248,-937.45 1147,-836.45 1146.67,-836.12 1146.67,-418.48 1670.49,-418.48 1687.99,-400.97 1693.09,-395.88 1693.09,-109.78 1759.51,-43.36 1756.08,-39.93 1756.08,1507.49 1756.08,1536.67 1675.2,1617.55 1652.74,1640.02 1652.74,3547.7 1652.74,3563.38 1738.19,3648.83 1738.19,4947.55 3117.86,4947.55 3353,4712.41 3353,-1626.45
EGND on Bottom Layer "Top Layer-No Net" (solid, remove dead copper, shelved, pour order 20): 1250,-1613 1250,-954.72 1253.6,-951.12 1146.97,-844.49 1139.76,-844.49 1139.76,-18.7 1278.56,120.1 1285.22,120.1 1285.22,865.05 1275.41,874.86 1221.14,929.13 564.96,929.13 564.96,936.34 422.42,1078.88 420,1081.3 420,1771.1 258.31,1771.1 82.1,1594.9 73.64,1586.44 73.64,-120.92 73.64,-123.26 -83.94,-280.85 -67.26,-297.53 -67.26,-463.25 -73.72,-463.25 -220.65,-610.18 -210.45,-620.38 -210.45,-1613.76
SGND0 on Bottom Layer "Top Layer-No Net" (solid, remove dead copper, shelved, pour order 22): 420,1762.74 420,1081.3 567.07,934.23 572.17,929.13 1228.35,929.13 1280.51,876.97 1285.22,872.26 1285.22,120.1 1272.92,120.1 1142.24,-10.58 1148.62,-16.96 1148.62,-412.22 1670.1,-412.22 1675.2,-417.32 1685.43,-407.09 1685.43,-112.31 1685.43,-106.57 1750.81,-41.2 1750.98,-41.02 1750.98,1503.94 1750.98,1507.21 1654.7,1603.49 1647.93,1596.71 1296.23,1596.71 1292.73,1596.71 1113.22,1776.23 1104.35,1767.36 420,1767.36
DGND on Bottom Layer "Top Layer-No Net" (solid, remove dead copper, shelved, pour order 16): -1435,-1626 -1435,4546 -1034,4947 1738.19,4947 1738.19,3640.8 1649.61,3552.21 1668.31,3533.51 1668.31,1610.43 1282.02,1610.43 1116.98,1775.46 1111.88,1780.56 274,1780.56 264.76,1780.56 78.74,1594.54 73.64,1589.44 73.64,-117.92 73.64,-132.34 -65.77,-271.75 -70.87,-276.85 -70.87,-456.65 -215.55,-601.33 -220.65,-606.43 -220.65,-1598.04 -220.65,-1620.65 -226,-1626
GGND on Top Layer "Top Layer-No Net" (solid, remove dead copper, shelved, pour order 19): 1255.1,-1608.03 1248,-1600.94 1248,-941 1147,-840 1146.67,-839.67 1146.67,-422.03 1670.49,-422.03 1687.99,-404.53 1693.09,-399.43 1693.09,-113.33 1759.51,-46.91 1756.08,-43.48 1756.08,1503.94 1756.08,1533.11 1675.2,1614 1652.74,1636.46 1652.74,3544.15 1652.74,3559.82 1738.19,3645.28 1738.19,4944 3117.86,4944 3353,4708.86 3353,-1630
EGND on Top Layer "Top Layer-EGND" (solid, remove dead copper, shelved, pour order 21): 1250,-1613 1250,-954.72 1253.6,-951.12 1146.97,-844.49 1139.76,-844.49 1139.76,-18.7 1278.56,120.1 1285.22,120.1 1285.22,865.05 1275.41,874.86 1221.14,929.13 564.96,929.13 564.96,936.34 422.42,1078.88 420,1081.3 420,1771.1 258.31,1771.1 82.1,1594.9 73.64,1586.44 73.64,-120.92 73.64,-123.26 -83.94,-280.85 -67.26,-297.53 -67.26,-463.25 -73.72,-463.25 -220.65,-610.18 -210.45,-620.38 -210.45,-1613.76
SGND0 on Top Layer "Top Layer-No Net" (solid, remove dead copper, shelved, pour order 23): 420,1762.74 420,1081.3 567.07,934.23 572.17,929.13 1228.35,929.13 1280.51,876.97 1285.22,872.26 1285.22,120.1 1272.92,120.1 1142.24,-10.58 1148.62,-16.96 1148.62,-412.22 1670.1,-412.22 1675.2,-417.32 1685.43,-407.09 1685.43,-112.31 1685.43,-106.57 1750.81,-41.2 1750.98,-41.02 1750.98,1503.94 1750.98,1507.21 1654.7,1603.49 1647.93,1596.71 1296.23,1596.71 1292.73,1596.71 1113.22,1776.23 1104.35,1767.36 420,1767.36
VDD3V30 on Top Layer "VDD3V30" (solid, remove dead copper, shelved, pour order 3): 366.12,4411.85 368.47,4409.07 368.47,3051.18 1408.46,3051.18 1407.47,3052.36 1407.47,4406.02
DGND on Top Layer "Top Layer-DGND" (solid, remove dead copper, shelved, pour order 17): -1435,-1629 -1435,4543 -1034,4944 1738.19,4944 1738.19,3637.8 1649.61,3549.21 1668.31,3530.51 1668.31,1607.43 1282.02,1607.43 1116.98,1772.46 1111.88,1777.56 274,1777.56 264.76,1777.56 78.74,1591.54 73.64,1586.44 73.64,-120.92 73.64,-135.34 -65.77,-274.75 -70.87,-279.85 -70.87,-459.65 -215.55,-604.33 -220.65,-609.43 -220.65,-1601.04 -220.65,-1623.65 -226,-1629
no net on GND (split plane): 1291.67,1597.77 1293.32,1596.67 1295.28,1596.28 1647.49,1596.28 1750.81,1492.97 1750.81,-41.2 1684.39,-107.62 1683.28,-109.27 1682.89,-111.22 1682.89,-402.42 1673.09,-412.22 1148.62,-412.22 1146.67,-412.61 1145.02,-413.72 1144.86,-413.95 1144.86,-20.81 1239.6,73.93 1240.71,75.58 1241.1,77.54 1241.1,876.97 1240.71,878.92 1239.6,880.57 1237.95,881.68 1236,882.07 619.24,882.07 422.42,1078.88 422.42,1772.46 1116.98,1772.46
GGND on GND (split plane): 215 vertices, not listed, extent 1144.86,-1613.82 3326.42,4920.98
EGND on GND (split plane): 412.22,1076.77 412.61,1074.82 413.72,1073.17 613.52,873.36 615.18,872.26 617.13,871.87 1230.9,871.87 1230.9,79.65 1136.16,-15.1 1135.05,-16.75 1134.67,-18.7 1134.67,-844.49 1135.05,-846.44 1136.16,-848.09 1244.9,-956.84 1244.9,-1613.76 -210.45,-1613.76 -210.45,-606.44 -67.26,-463.25 -66.16,-461.6 -65.77,-459.65 -65.77,-274.75 82.35,-126.64 83.45,-124.98 83.84,-123.03 83.84,1589.42 266.88,1772.46 412.22,1772.46
DGND on GND (split plane): 218 vertices, not listed, extent -1397.28,-1613.82 1733.09,4920.98
no net on VCC (split plane): 2942.19,4308.69 2946.17,4301.05 2950.8,4293.77 2956.05,4286.93 2961.87,4280.58 2968.23,4274.75 2975.07,4269.5 2982.34,4264.87 2989.99,4260.89 2997.96,4257.59 3006.18,4255 3014.6,4253.13 3023.15,4252.01 3031.71,4251.63 3031.76,4251.63 3267.72,4251.63 3268.29,4251.68 3274.29,4251.35 3280.79,4250.24 3287.11,4248.42 3293.2,4245.9 3298.96,4242.71 3304.34,4238.9 3309.25,4234.51 3313.64,4229.6 3317.45,4224.23 3320.63,4218.47 3323.15,4212.38 3324.98,4206.05 3326.08,4199.56 3326.42,4193.56 3326.36,4192.98 3326.36,1909.52 3326.42,1908.94 3326.08,1902.94 3324.98,1896.45 3323.15,1890.12 3320.63,1884.03 3317.45,1878.27 3313.64,1872.9 3309.25,1867.99 3304.34,1863.6 3298.96,1859.79 3293.2,1856.6 3287.11,1854.08 3280.79,1852.26 3274.29,1851.15 3268.29,1850.82 3267.72,1850.87 3031.76,1850.87 3031.71,1850.87 3023.15,1850.5 3014.6,1849.37 3006.18,1847.5 2997.96,1844.91 2989.99,1841.61 2982.34,1837.63 2975.07,1833 2968.23,1827.75 2961.87,1821.92 2956.05,1815.57 2950.8,1808.73 2946.17,1801.45 2942.19,1793.81 2939.15,1786.49 2939.15,4316.01
VCC on VCC (split plane): 2928.96,2567.11 1834.82,2567.11 1834.82,3456.55 1923.37,3545.1 2928.96,3545.1
VBAT on VCC (split plane): 2928.96,3555.29 1921.26,3555.29 1919.31,3554.91 1917.65,3553.8 1826.12,3462.27 1825.01,3460.61 1824.63,3458.66 1824.63,2562.01 1825.01,2560.06 1826.12,2558.4 1827.77,2557.3 1829.72,2556.91 2928.96,2556.91 2928.96,-409.27 1756.08,-409.27 1756.08,1503.94 1755.69,1505.89 1754.59,1507.54 1654.7,1607.43 1654.7,1702.76 1654.32,1704.71 1653.21,1706.36 1652.74,1706.68 1652.74,3544.15 1742.78,3634.19 1743.88,3635.84 1744.27,3637.8 1744.27,4742.93 2928.96,4742.93
VDD1.3V on VCC (split plane): 1399.4,3271.28 895.64,3271.28 893.69,3270.89 892.04,3269.79 890.93,3268.13 890.55,3266.18 890.55,2600.02 385.94,2600.02 372.2,2613.77 372.2,3263.23 372.2,4410.69 1399.4,4410.69
no net on VCC (split plane): 2942.19,1237.83 2946.17,1230.18 2950.8,1222.91 2956.05,1216.07 2961.87,1209.71 2968.23,1203.88 2975.07,1198.64 2982.34,1194 2989.99,1190.02 2997.96,1186.72 3006.18,1184.13 3014.6,1182.26 3023.15,1181.14 3031.71,1180.76 3031.76,1180.76 3267.72,1180.76 3268.29,1180.82 3274.29,1180.48 3280.79,1179.38 3287.11,1177.55 3293.2,1175.03 3298.96,1171.85 3304.34,1168.03 3309.25,1163.65 3313.64,1158.73 3317.45,1153.36 3320.63,1147.6 3323.15,1141.51 3324.98,1135.18 3326.08,1128.69 3326.42,1122.69 3326.36,1122.12 3326.36,-1200.72 3326.42,-1201.3 3326.08,-1207.3 3324.98,-1213.79 3323.15,-1220.12 3320.63,-1226.2 3317.45,-1231.97 3313.64,-1237.34 3309.25,-1242.25 3304.34,-1246.64 3298.96,-1250.45 3293.2,-1253.64 3287.11,-1256.16 3280.79,-1257.98 3274.29,-1259.08 3268.29,-1259.42 3267.72,-1259.36 3031.76,-1259.36 3031.71,-1259.37 3023.15,-1259.74 3014.6,-1260.87 3006.18,-1262.73 2997.96,-1265.33 2989.99,-1268.63 2982.34,-1272.61 2975.07,-1277.24 2968.23,-1282.49 2961.87,-1288.31 2956.05,-1294.67 2950.8,-1301.51 2946.17,-1308.78 2942.19,-1316.43 2939.15,-1323.75 2939.15,1245.15
GGND on VCC (split plane): 1747.38,-419.04 1749.03,-420.15 1750.98,-420.54 1752.94,-420.15 1753.95,-419.47 2928.96,-419.47 2928.96,-1488.01 1253.55,-1488.01 1253.55,-955.72 1253.36,-954.75 1252.8,-953.92 1142.31,-843.43 1142.31,-417.99 1746.67,-417.99
EGND on VCC (split plane): 220.45,1766.01 1124.83,1766.01 1292.63,1598.21 1294.28,1597.1 1296.23,1596.71 1556.08,1596.71 1558.03,1597.1 1559.68,1598.21 1588.23,1626.75 1644.51,1683.03 1644.51,1605.31 1644.9,1603.36 1646,1601.71 1745.89,1501.83 1745.89,-412.89 1142.27,-412.89 1142.12,-412.14 1141.57,-411.32 1140.74,-410.76 1139.76,-410.57 1138.79,-410.76 1137.96,-411.32 1135.64,-413.64 1135.09,-414.46 1134.89,-415.44 1135.09,-416.41 1135.64,-417.24 1136.47,-417.79 1137.21,-417.94 1137.21,-844.49 1137.41,-845.46 1137.96,-846.29 1248.45,-956.78 1248.45,-1488.01 -562.82,-1488.01 -562.82,-1062.15 -216.34,-715.68 80.71,-715.68 82.66,-715.29 84.31,-714.19 85.42,-712.53 85.81,-710.58 85.42,-708.63 84.31,-706.98 83.26,-706.27 83.26,1630.31 219.2,1766.25
no net on VCC (split plane): 2880.86,4920.64 2887.35,4919.54 2893.68,4917.71 2899.76,4915.19 2905.53,4912.01 2910.9,4908.19 2915.81,4903.81 2920.2,4898.89 2924.01,4893.52 2927.2,4887.76 2929.72,4881.67 2931.54,4875.34 2932.64,4868.85 2932.98,4862.85 2932.92,4862.28 2932.92,4753.13 1742.67,4753.13 1741.12,4754.16 1739.17,4754.55 -857.44,4754.55 -859.39,4754.16 -861.05,4753.05 -983.58,4630.52 -983.58,4862.28 -983.64,4862.85 -983.3,4868.85 -982.2,4875.34 -980.37,4881.67 -977.85,4887.76 -974.67,4893.52 -970.85,4898.89 -966.47,4903.81 -961.55,4908.19 -956.18,4912.01 -950.42,4915.19 -944.33,4917.71 -938,4919.54 -931.51,4920.64 -925.51,4920.98 -924.94,4920.92 2874.28,4920.92 2874.86,4920.98
VDDSDRAM on VCC (split plane): 348.49,3056.28 -828.56,3056.28 -828.56,4220.3 348.49,4220.3
VDDNAND on VCC (split plane): 39.19,4743.57 39.19,4230.49 -828.56,4230.49 -828.56,4744.35 39.35,4744.35
no net on VCC (split plane): -1338.58,4251.63 -1166.52,4251.63 -1166.52,1850.87 -1338.58,1850.87 -1339.16,1850.82 -1345.16,1851.15 -1351.65,1852.26 -1357.98,1854.08 -1364.07,1856.6 -1369.83,1859.79 -1375.2,1863.6 -1380.11,1867.99 -1384.5,1872.9 -1388.31,1878.27 -1391.5,1884.03 -1394.02,1890.12 -1395.84,1896.45 -1396.95,1902.94 -1397.28,1908.94 -1397.23,1909.52 -1397.23,4192.98 -1397.28,4193.56 -1396.95,4199.56 -1395.84,4206.05 -1394.02,4212.38 -1391.5,4218.47 -1388.31,4224.23 -1384.5,4229.6 -1380.11,4234.51 -1375.2,4238.9 -1369.83,4242.71 -1364.07,4245.9 -1357.98,4248.42 -1351.65,4250.24 -1345.16,4251.35 -1339.16,4251.68
VDD3V3 on VCC (split plane): 158 vertices, not listed, extent -1156.32,-1488.01 1734.08,4744.35
no net on VCC (split plane): 2932.92,-1555.12 2932.98,-1555.69 2932.64,-1561.69 2931.54,-1568.19 2929.72,-1574.52 2927.2,-1580.6 2924.01,-1586.37 2920.2,-1591.74 2915.81,-1596.65 2910.9,-1601.04 2905.53,-1604.85 2899.76,-1608.03 2893.68,-1610.55 2887.35,-1612.38 2880.86,-1613.48 2874.86,-1613.82 2874.28,-1613.76 -924.94,-1613.76 -925.51,-1613.82 -931.51,-1613.48 -938,-1612.38 -944.33,-1610.55 -950.42,-1608.03 -956.18,-1604.85 -961.55,-1601.04 -966.47,-1596.65 -970.85,-1591.74 -974.67,-1586.37 -977.85,-1580.6 -980.37,-1574.52 -982.2,-1568.19 -983.3,-1561.69 -983.64,-1555.69 -983.58,-1555.12 -983.58,-1498.21 2932.92,-1498.21
no net on VCC (split plane): -1338.58,1220.06 -1166.52,1220.06 -1166.52,-1259.36 -1338.58,-1259.36 -1339.16,-1259.42 -1345.16,-1259.08 -1351.65,-1257.98 -1357.98,-1256.16 -1364.07,-1253.64 -1369.83,-1250.45 -1375.2,-1246.64 -1380.11,-1242.25 -1384.5,-1237.34 -1388.31,-1231.97 -1391.5,-1226.2 -1394.02,-1220.12 -1395.84,-1213.79 -1396.95,-1207.3 -1397.28,-1201.3 -1397.23,-1200.72 -1397.23,1161.42 -1397.28,1161.99 -1396.95,1167.99 -1395.84,1174.49 -1394.02,1180.82 -1391.5,1186.9 -1388.31,1192.66 -1384.5,1198.04 -1380.11,1202.95 -1375.2,1207.34 -1369.83,1211.15 -1364.07,1214.33 -1357.98,1216.85 -1351.65,1218.68 -1345.16,1219.78 -1339.16,1220.12

## Keep-outs
Keep-Out Layer:
  circle w10: c1771.65,-53.54 r78.74
  circle w10: c275.59,-53.54 r78.74
  circle w94.49: c-1240.16,-1079.13 r62.99
  circle w94.49: c-1240.16,4034.25 r62.99
  circle w94.49: c3208.66,-1079.13 r62.99
  circle w94.49: c3208.66,4034.25 r62.99
  lines w5: -1417.32,-1200.72 ccw(c-1338.58,-1200.72) -1338.58,-1279.46 -1082.42,-1279.46 cw(c-1082.42,-1358.2) -1003.68,-1358.2 -1003.68,-1555.12 ccw(c-924.94,-1555.12) -924.94,-1633.86 2874.02,-1633.86 ; -1417.32,-1199.8 -1417.32,1161.42 cw(c-1338.58,1161.42) -1338.58,1240.16 -1082.42,1240.16 ccw(c-1082.42,1318.9) -1003.68,1318.9 ; -1002.95,1317.92 -1003.68,1752.04 ccw(c-1082.42,1752.04) -1082.42,1830.78 -1338.58,1830.78 cw(c-1338.58,1909.52) -1417.32,1909.52 -1417.32,4192.98 cw(c-1338.58,4192.98) -1338.58,4271.72 -1082.42,4271.72 ccw(c-1082.42,4350.46) -1003.68,4350.46 -1003.68,4862.28 cw(c-924.94,4862.28) -924.94,4941.02 2874.28,4941.02 cw(c2874.28,4862.28) 2953.02,4862.28 2953.02,4350.46 ccw(c3031.76,4350.46) 3031.76,4271.72 3267.72,4271.72 cw(c3267.72,4192.98) 3346.46,4192.98 3346.46,1909.52 cw(c3267.72,1909.52) 3267.72,1830.78 3031.76,1830.78 ccw(c3031.76,1752.04) 2953.02,1752.04 2953.02,1279.6 ccw(c3031.76,1279.6) 3031.76,1200.86 3267.72,1200.86 cw(c3267.72,1122.12) 3346.46,1122.12 3346.46,-1200.72 cw(c3267.72,-1200.72) 3267.72,-1279.46 3031.76,-1279.46 ccw(c3031.76,-1358.2) 2953.02,-1358.2 2953.02,-1555.12 cw(c2874.28,-1555.12) 2874.28,-1633.86
Mechanical 5:
  circle w10: c-1294.06,-2259.41 r137.8

## Other copper
GND (plane layer: these items are gaps in the copper):
  lines w10: -215.55,-1629 -1435,-1629 -1435,4543 -1034,4944 1738.19,4944 1738.19,3637.8 1649.61,3549.21 1649.61,1601.38 1295.28,1601.38 1119.09,1777.56 264.76,1777.56 78.74,1591.54 78.74,-123.03 -70.87,-272.64 -70.87,-459.65 -215.55,-604.33 -215.55,-1630 1108.19,-1630 ; 417.32,1776.57 417.32,1076.77 617.13,876.97 1236,876.97 1236,77.54 1139.76,-18.7 1139.76,-844.49 1250,-954.72 1250,-1630 ; 1148.62,-417.32 1675.2,-417.32 1687.99,-404.53 1687.99,-111.22 1755.91,-43.31 1755.91,1495.08 1648.62,1602.36 ; 1739.17,4938.9 3122.96,4938.9 3353,4708.86 3353,-1630 ; 1108.19,-1630 3353,-1630 ; 1108.19,-1630 3353,-1630
VCC (plane layer: these items are gaps in the copper):
  lines w5: 80.71,-710.58 80.71,1631.37 220.45,1771.1 ; 1249,-1493.11 1251,-1491.11 1251,-955.72 1139.76,-844.49 1139.76,-413.12 1137.44,-415.44 1750.98,-415.44
  lines w10: -833.66,4230.49 -833.66,4747.48 -831.69,4749.45 50.17,4749.45 ; -567.91,-1489.17 -567.91,-1060.04 -218.46,-710.58 80.71,-710.58 ; 44.29,4225.39 44.29,4743.57 ; 220.45,1771.1 1126.94,1771.1 1296.23,1601.81 1556.08,1601.81 1584.62,1630.36 1647.64,1693.37 1647.64,3546.26 1739.17,3637.8 1739.17,4749.45 -857.44,4749.45 -1161.42,4445.47 -1161.42,-1493.11 2934.06,-1493.11 2934.06,4748.03 1712.6,4748.03 ; 1649.61,1702.76 1649.61,1605.31 1750.98,1503.94 1750.98,-415.44 ; 1752.05,-414.37 2933.07,-414.37 ; 2932.09,2562.01 1829.72,2562.01 1829.72,3458.66 1921.26,3550.2 2932.09,3550.2 2934.06,3552.17 ; -833.66,3051.18 352.34,3051.18 353.59,3049.93 353.59,4224.85 353.05,4225.39 -833.66,4225.39 -833.66,3051.18 ; 367.1,2611.65 367.1,3263.23 367.1,4413.82 369.07,4415.79 1406.47,4415.79 1404.5,4413.82 1404.5,3267.17 1403.52,3266.18 895.64,3266.18 895.64,2597.88 892.69,2594.92 383.83,2594.92 367.1,2611.65

## Silkscreen, mask and mechanical layers (free items; w line width, h text height)
Top Solder:
  rectangle: 1896.65,1397.64 1958.66,1453.74
Mechanical 1:
  lines w5: -1417.32,-1200.72 ccw(c-1338.58,-1200.72) -1338.58,-1279.46 -1082.42,-1279.46 cw(c-1082.42,-1358.2) -1003.68,-1358.2 -1003.68,-1555.12 ccw(c-924.94,-1555.12) -924.94,-1633.86 2874.02,-1633.86 ; -1417.32,-1199.8 -1417.32,1161.42 cw(c-1338.58,1161.42) -1338.58,1240.16 -1082.42,1240.16 ccw(c-1082.42,1318.9) -1003.68,1318.9 ; -1002.95,1317.92 -1003.68,1752.04 ccw(c-1082.42,1752.04) -1082.42,1830.78 -1338.58,1830.78 cw(c-1338.58,1909.52) -1417.32,1909.52 -1417.32,4192.98 cw(c-1338.58,4192.98) -1338.58,4271.72 -1082.42,4271.72 ccw(c-1082.42,4350.46) -1003.68,4350.46 -1003.68,4862.28 cw(c-924.94,4862.28) -924.94,4941.02 2874.28,4941.02 cw(c2874.28,4862.28) 2953.02,4862.28 2953.02,4350.46 ccw(c3031.76,4350.46) 3031.76,4271.72 3267.72,4271.72 cw(c3267.72,4192.98) 3346.46,4192.98 3346.46,1909.52 cw(c3267.72,1909.52) 3267.72,1830.78 3031.76,1830.78 ccw(c3031.76,1752.04) 2953.02,1752.04 2953.02,1279.6 ccw(c3031.76,1279.6) 3031.76,1200.86 3267.72,1200.86 cw(c3267.72,1122.12) 3346.46,1122.12 3346.46,-1200.72 cw(c3267.72,-1200.72) 3267.72,-1279.46 3031.76,-1279.46 ccw(c3031.76,-1358.2) 2953.02,-1358.2 2953.02,-1555.12 cw(c2874.28,-1555.12) 2874.28,-1633.86
Mechanical 2:
  lines w10: -1415.35,-1373.03 -1051.18,-1373.03
Mechanical 5:
  circle w5: c1181.36,2854.4 r229.39
  circle w10: c-1294.32,-1692.91 r78.74
  circle w10: c3155.49,4173.23 r78.74
  circle w10: c3155.49,-1110.79 r137.8
  circle w10: c-1294.06,-2259.41 r62.99
  circle w10: c-1294.06,-130.63 r137.8
  circle w10: c3272.87,-118.25 r137.8
  circle w10: c3271,2290.63 r78.74
  lines w10: -1451.54,-2259.41 -1294.06,-2259.41 ; -1451.54,26.85 3036.65,26.85 ; -1451.54,2152.83 -1156.26,2152.83 -1156.26,2428.42 -1451.54,2428.42 ; -1049.96,-2394.41 -1049.96,5207.48 ; -1049.96,5578.03 3036.65,5578.03 ; -860.98,-2394.41 -860.98,4692.2 ; -846.98,4751.26 2941.46,4751.26 ; -703.5,-549.65 -782.24,-549.65 -782.24,-392.17 -703.5,-392.17 ; 1195.75,5873.31 -1451.54,5873.31 -1451.54,-2394.41 -1451.54,-2764.96 -1569.65,-2764.96 -1569.65,-2394.41 3548.46,-2394.41 ; 2932.32,-2364.41 2932.32,5525.04 ; 3036.65,-2394.41 3036.65,5610.04 ; 3056.34,1185.59 3430.35,1185.59 ; 3428.48,2152.83 3054.46,2152.83 3054.46,2428.42 3428.48,2428.42 ; 3430.35,-2394.41 3430.35,4717.48 ; -703.5,-1199.25 -703.5,257.44 280.75,257.44 280.75,-1199.25 -703.5,-1199.25 ; 261.06,5066.22 1520.9,5066.22 1520.9,5302.44 261.06,5302.44 261.06,5066.22
Drill Drawing:
  text ".Legend" at 4160,-1569 h60

## Text inside footprints (layer, text, board x,y; h text height)
BT1: Top Overlay "+" at 1838.58,-5 h30
J6: Top Overlay "16" at -874.4,-715.72 h31.5 r270; Top Overlay "1" at -876.4,-381.72 h31.5 r270
J7: Top Overlay "1" at 1278.13,4492 h31.5 r180; Top Overlay "33" at 561.13,4502 h31.5 r180
P1: Top Overlay "2" at 3182.36,3568.82 h30 r270; Top Overlay "1" at 3082.36,3568.82 h30 r270; Top Overlay "14" at 3182.36,2768.82 h30 r270; Top Overlay "13" at 3082.36,2768.82 h30 r270
P2: Top Overlay "2" at 4119.46,-1328.41 h50 r90; Top Overlay "1" at 4219.46,-1308.41 h50 r90; Top Overlay "7" at 4219.46,-868.41 h50 r90; Top Overlay "8" at 4119.46,-868.41 h50 r90
P4: Top Overlay "2" at 4402,-1326 h50 r90; Top Overlay "1" at 4502,-1306 h50 r90; Top Overlay "7" at 4502,-866 h50 r90; Top Overlay "8" at 4402,-866 h50 r90
U2: Bottom Overlay "GND" at 1073.46,1576.85 h31.5 r90; Bottom Overlay "Vin" at 658.46,1556.85 h31.5 r90; Bottom Overlay "0V" at 658.46,2206.85 h31.5 r90; Bottom Overlay "+5V" at 653.46,2421.85 h31.5 r90
US1: Mechanical 2 "PCB Edge" at -1444.18,2261.28 h9.84 r270